# Altium PCB MicroSpecSensorBoard_Layout_V2_1.PcbDoc (part 1 of 2)
Units mm, origin at the board's own origin, x right, y up, seen from the top; angles counter-clockwise.
Board outline 106 x 107.03 mm, 2 copper layers (Top Layer, Bottom Layer); 100 components, 102 nets, 427 pads, 213 vias.
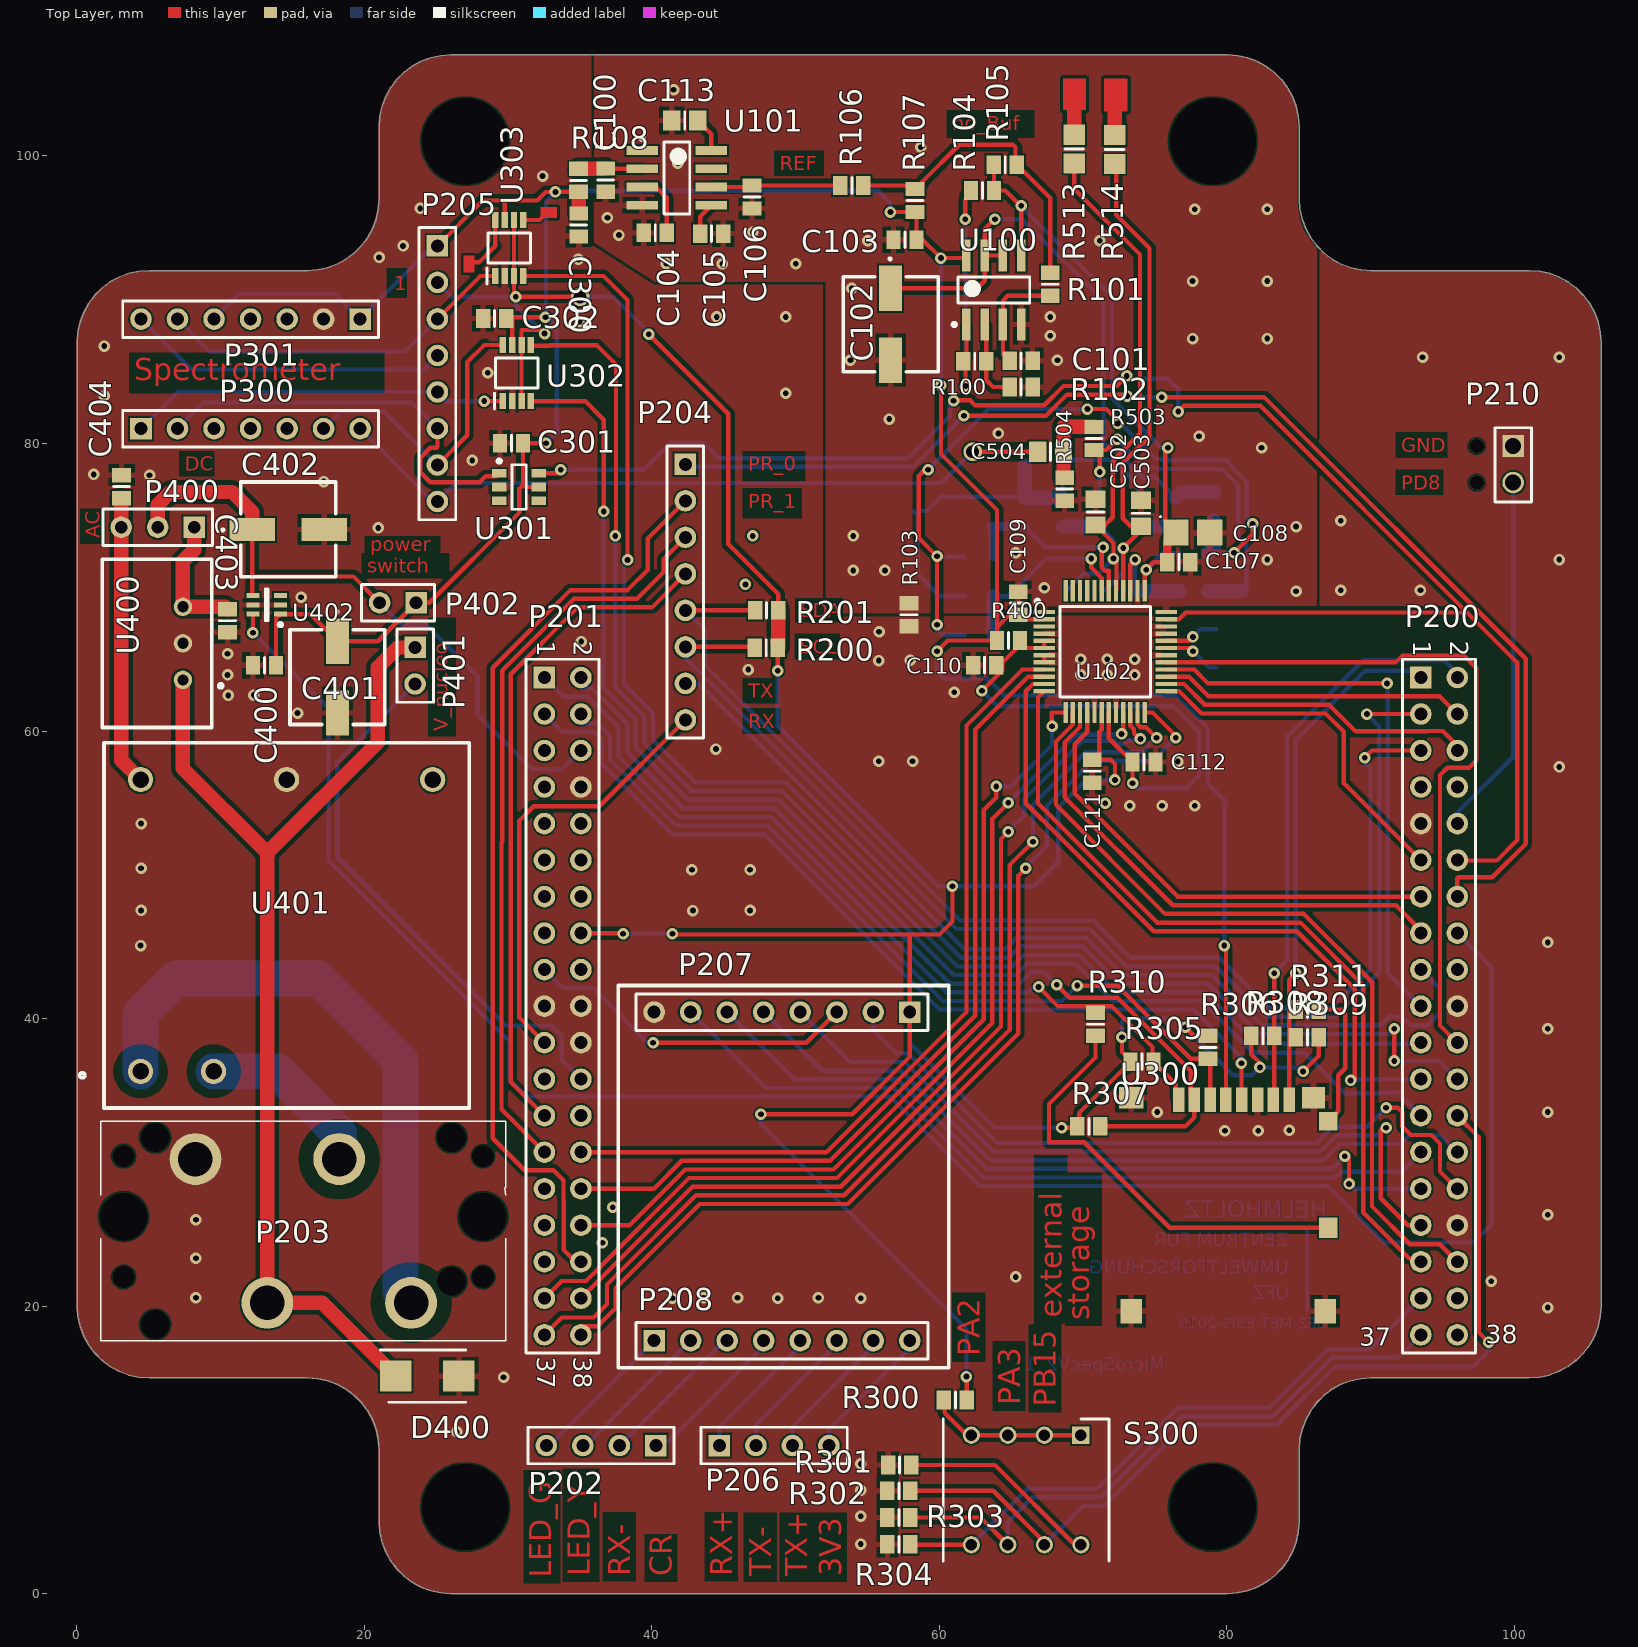
[diagram p0: Top Layer view]
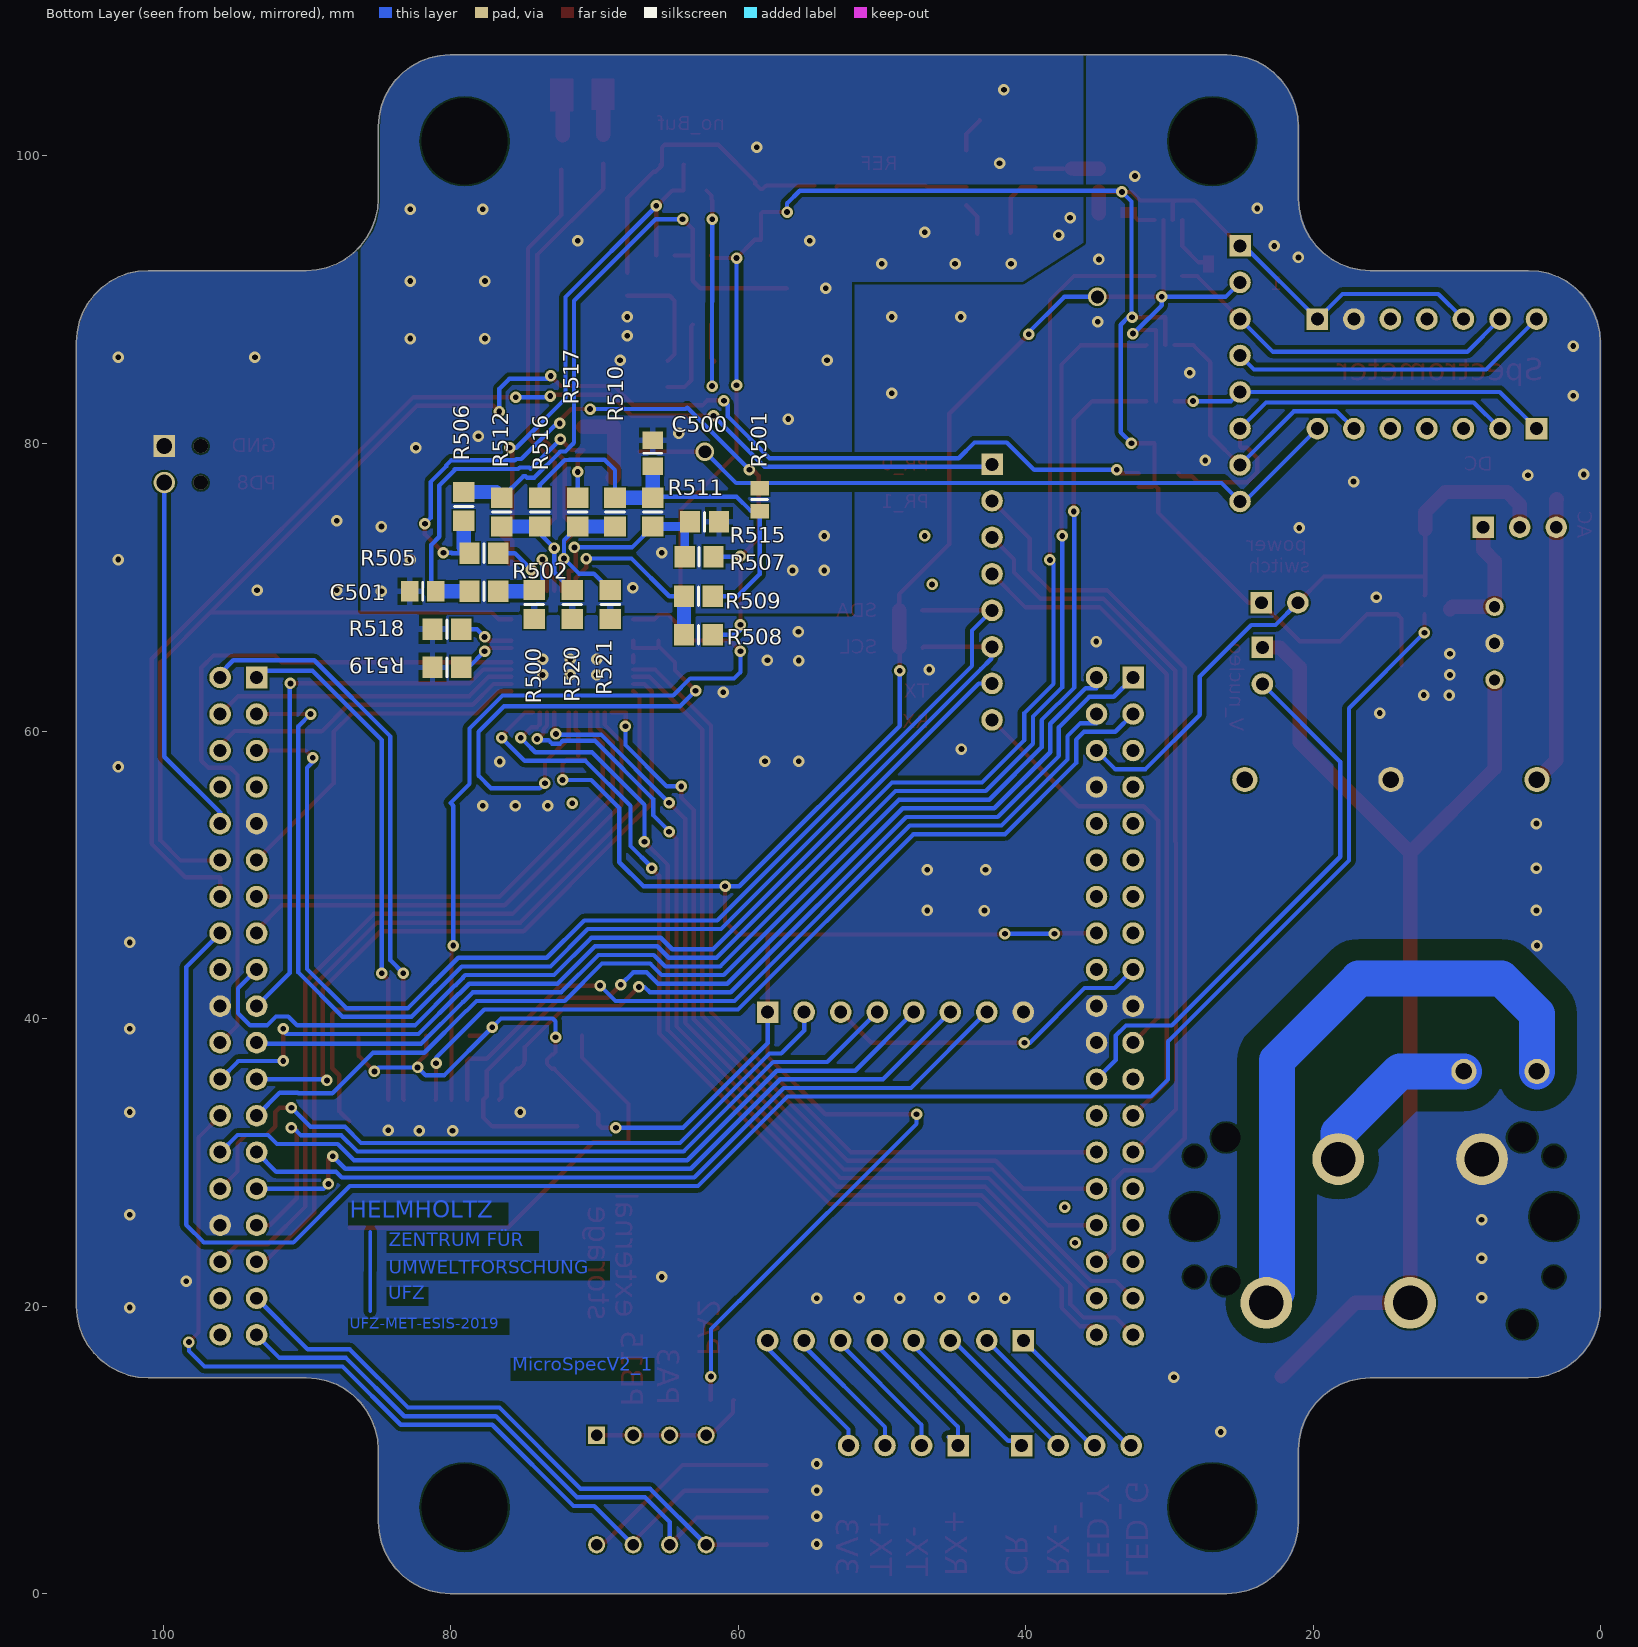
[diagram p1: Bottom Layer view, seen from below]

## Layer stack, top to bottom
Top Solder: solder mask 0.0102, Solder Resist, Dk 3.5
Top Layer: signal copper 0.0356
Dielectric 1: dielectric 0.32, FR-4, Dk 4.8
Bottom Layer: signal copper 0.0356
Bottom Solder: solder mask 0.0102, Solder Resist, Dk 3.5

## Board outline
26.029,0.004 80.029,0.004 80.741,0.055 81.438,0.207 82.106,0.456 82.732,0.798 83.303,1.225 83.808,1.73 84.235,2.301 84.577,2.927 84.826,3.595 84.978,4.292 85.029,5.004 85.029,10.004 85.08,10.716 85.232,11.413 85.481,12.081 85.823,12.707 86.25,13.278 86.755,13.783 87.326,14.21 87.952,14.552 88.62,14.801 89.317,14.953 90.029,15.004 101.029,15.004 101.741,15.055 102.438,15.207 103.106,15.456 103.732,15.798 104.303,16.225 104.808,16.73 105.235,17.301 105.577,17.927 105.826,18.595 105.978,19.292 106.029,20.004 106.029,87.034 105.978,87.746 105.826,88.443 105.577,89.111 105.235,89.737 104.808,90.308 104.303,90.813 103.732,91.24 103.106,91.582 102.438,91.831 101.741,91.983 101.029,92.034 90.029,92.034 89.317,92.085 88.62,92.237 87.952,92.486 87.326,92.828 86.755,93.255 86.25,93.76 85.823,94.331 85.481,94.957 85.231,95.625 85.08,96.322 85.029,97.034 85.029,102.034 84.978,102.746 84.826,103.443 84.577,104.111 84.235,104.737 83.808,105.308 83.303,105.813 82.732,106.24 82.106,106.582 81.438,106.831 80.741,106.983 80.029,107.034 26.029,107.034 25.317,106.983 24.62,106.831 23.952,106.582 23.326,106.24 22.755,105.813 22.25,105.308 21.823,104.737 21.481,104.111 21.231,103.443 21.08,102.746 21.029,102.034 21.029,97.034 20.978,96.322 20.826,95.625 20.577,94.957 20.235,94.331 19.808,93.76 19.303,93.255 18.732,92.828 18.106,92.486 17.438,92.237 16.741,92.085 16.029,92.034 5.029,92.034 4.317,91.983 3.62,91.831 2.952,91.582 2.326,91.24 1.755,90.813 1.25,90.308 0.823,89.737 0.481,89.111 0.231,88.443 0.08,87.746 0.029,87.034 0.029,20.004 0.08,19.292 0.232,18.595 0.481,17.927 0.823,17.301 1.25,16.73 1.755,16.225 2.326,15.798 2.952,15.456 3.62,15.207 4.317,15.055 5.029,15.004 16.029,15.004 16.741,14.953 17.438,14.801 18.106,14.552 18.732,14.21 19.303,13.783 19.808,13.278 20.235,12.707 20.577,12.081 20.826,11.413 20.978,10.716 21.029,10.004 21.029,5.004 21.08,4.292 21.232,3.595 21.481,2.927 21.823,2.301 22.25,1.73 22.755,1.225 23.326,0.798 23.952,0.456 24.62,0.207 25.317,0.055

## Design rules (kind name [scope] priority, off if disabled: settings)
Clearance Clearance_Comp [InComponent('U302') Or InComponent('U303')] p1: gap=0.125 ignorepadtopadclearanceinfootprint=TRUE except(0: Arc-Hole Track-Hole SMDPad-Hole THPad-Hole Via-Hole Fill-Hole Poly-Hole Region-Hole Text-Hole; 0.15: Arc-Arc Arc-Track Arc-SMDPad Arc-THPad Arc-Via Arc-Fill Arc-Poly Arc-Region Arc-Text Track-Track Track-SMDPad Track-THPad Track-Via Track-Fill Track-Poly Track-Region Track-Text; 0.2: SMDPad-Via Fill-Fill Fill-Poly Fill-Region Poly-Poly Poly-Region Region-Region)
Clearance Clearance_VID [InNet('VID')] p2: gap=0.125 ignorepadtopadclearanceinfootprint=FALSE except(0: Arc-Hole Track-Hole SMDPad-Hole THPad-Hole Via-Hole Fill-Hole Poly-Hole Region-Hole Text-Hole; 0.15: Arc-Text Track-Text; 0.2: SMDPad-Via Fill-Fill Fill-Poly Fill-Region Poly-Poly Poly-Region Region-Region; 0.3: Arc-Arc Arc-Track Arc-SMDPad Arc-THPad Arc-Via Track-Track Track-SMDPad Track-THPad Track-Via; 0.5: Arc-Fill Arc-Poly Arc-Region Track-Fill Track-Poly Track-Region)
Clearance Clearance_TXS [WithinRoom('RoomTXS') Or WithinRoom('RoomTXS_1')] p3: gap=0.125 ignorepadtopadclearanceinfootprint=TRUE
Clearance Clearance_ADC [All vs WithinRoom('RoomADC') Or InComponent('U102')] p4: gap=0.125 ignorepadtopadclearanceinfootprint=TRUE except(0.3: Arc-Fill Arc-Poly Arc-Region Track-Fill Track-Poly Track-Region)
Clearance Clearance_220V [All vs (InNet('AC_L') Or InNet('AC_N'))] p5: gap=1 ignorepadtopadclearanceinfootprint=FALSE except(1.5: Arc-Fill Arc-Poly Arc-Region Track-Fill Track-Poly Track-Region)
Clearance [All] p6: gap=0.125 ignorepadtopadclearanceinfootprint=FALSE except(0: Arc-Hole Track-Hole SMDPad-Hole THPad-Hole Via-Hole Fill-Hole Poly-Hole Region-Hole Text-Hole; 0.15: Arc-Text Track-Text; 0.2: SMDPad-Via Fill-Fill Fill-Poly Fill-Region Poly-Poly Poly-Region Region-Region; 0.3: Arc-Arc Arc-Track Arc-SMDPad Arc-THPad Arc-Via Arc-Fill Arc-Poly Arc-Region Track-Track Track-SMDPad Track-THPad Track-Via Track-Fill Track-Poly Track-Region)
DiffPairsRouting [All] p1: maxlimit=10 minlimit=0.125 mostfreqgap=0.15 toplayer_minwidth=0.381 toplayer_maxwidth=0.381 toplayer_prefwidth=0.381 bottomlayer_minwidth=0.381 bottomlayer_maxwidth=0.381 bottomlayer_prefwidth=0.381 maxuncoupledlength=12.7
FabricationTestPointUsage FabricationTestPointUsage_1 [All] p1: valid=0 allowmultiple=FALSE
FabricationTestpoint FabricationTestpoint_1 [All] p1: side=3 testpointundercomponent=TRUE minsize=1.016 maxsize=2.54 preferedsize=1.524 minholesize=0 maxholesize=1.016 preferedholesize=0.813 testpointgrid=0.025 allowsidetop=TRUE allowsidebottom=TRUE usegrid=TRUE gridtolerance=0
HoleSize [All] p1: absolutevalues=TRUE maxlimit=6 minlimit=0.2 maxpercent=80.000 minpercent=20.000
HoleSize FabricationTestpoint [All] p2 off: absolutevalues=TRUE maxlimit=2.54 minlimit=0.025 maxpercent=80.000 minpercent=20.000
HoleSize FabricationTestPointUsage [All] p3 off: absolutevalues=TRUE maxlimit=2.54 minlimit=0.025 maxpercent=80.000 minpercent=20.000
PlaneClearance [All] p1: clearance=0.5
PlaneConnect [All] p1: planeconnectstyle=Relief reliefexpansion=0.4 reliefentries=4 reliefconductorwidth=0.15 reliefairgap=0.15
PolygonConnect PolygonConnect_AGND_GND [InComponent('R103')] p1: thpad.connectstyle=Relief thpad.reliefconductorwidth=0.254 thpad.reliefentries=4 thpad.polygonreliefangle="90 Angle" thpad.airgapwidth=0.254 smdpad.connectstyle=Direct smdpad.reliefconductorwidth=0.254 smdpad.reliefentries=4 smdpad.polygonreliefangle="90 Angle" smdpad.airgapwidth=0.254 via.connectstyle=Relief via.reliefconductorwidth=0.254 via.reliefentries=4 via.polygonreliefangle="90 Angle" via.airgapwidth=0.254
PolygonConnect [All] p2: thpad.connectstyle=Direct thpad.reliefconductorwidth=0.15 thpad.reliefentries=4 thpad.polygonreliefangle="90 Angle" thpad.airgapwidth=0.254 smdpad.connectstyle=Relief smdpad.reliefconductorwidth=0.4 smdpad.reliefentries=4 smdpad.polygonreliefangle="90 Angle" smdpad.airgapwidth=0.254 via.connectstyle=Direct via.reliefconductorwidth=0.15 via.reliefentries=4 via.polygonreliefangle="90 Angle" via.airgapwidth=0.254
RoomDefinition RoomTXS_1 [False] p1: confinementstyle=ConfineIn formatcopy=TRUE lockcomponents=FALSE outline 28.273,88.17 33,88.17 33,81.9 28.273,81.9
RoomDefinition RoomTXS [False] p2: confinementstyle=ConfineIn formatcopy=TRUE lockcomponents=FALSE outline 28.073,96.57 32.8,96.57 32.8,90.3 28.073,90.3
RoomDefinition RoomADC [InComponentClass('MicroSpecSensorBoard_PowerSupply_V2_1')] p3: confinementstyle=ConfineIn formatcopy=TRUE lockcomponents=FALSE outline 65,72.9 78.712,72.9 78.712,59.2 65,59.2
RoutingCorners [All] p1: cornerstyle=45-Degree minsetback=1.25 maxsetback=1.25
RoutingVias [All] p1: holewidth=0.3 width=0.6 viastyle="Through Hole" minholewidth=0.2 minwidth=0.45 maxholewidth=0.45 maxwidth=0.75
SolderMaskExpansion [All] p1: expansion=0.075
Width [All] p1: maxlimit=5 minlimit=0.125 preferedwidth=0.3 minimp=50.000000 maximp=50.000000 favimp=50.000000
23 further rules are at their usual default settings.

## Classes and differential pairs
component class MicroSpecSensorBoard_switch_V2_1: C500 C501 C502 C503 C504 R500 R501 R502 R503 R504 R505 R506 R507 R508 R509 R510 R511 R512 R513 R514 R515 R516 R517 R518 R519 R520 R521
component class MicroSpecSensorBoard_PowerSupply_V2_1: C400 C401 C402 C403 C404 D400 P400 P401 P402 R400 U400 U401 U402
component class MicroSpecSensorBoard_periphericDevices_V2_1: C300 C301 C302 P300 P301 R300 R301 R302 R303 R304 R305 R306 R307 R308 R309 R310 R311 S300 U300 U301 U302 U303
component class MicroSpecSensorBoard_Connectors_V2_1: P200 P201 P202 P203 P204 P205 P206 P207 P208 P210 R200 R201 SB200 SB201 SB202 SB203 SB204 SB205 SB206 SB207 SB208 SB209
component class MicroSpecSensorBoard_adc_V2_1: C100 C101 C102 C103 C104 C105 C106 C107 C108 C109 C110 C111 C112 C113 R100 R101 R102 R103 R104 R105 R106 R107 R108 U100 U101 U102

## Components (designator, comment, footprint, x,y, rotation, side; value= is the part's Value field where it differs from the comment)
C100 "100n" 6-0805_L 36.788,98.325 r270 top value=100nF
C101 "1u" 6-0805_L 65.688,85.75 r0 top value=1uF
C102 "10u" FKV(D) 56.613,88.3 r270 top
C103 "100n" 6-0805_L 57.613,94.175 r180 top value=100nF
C104 "100n" 6-0805_L 40.238,94.65 r180 top value=100nF
C105 "100n" 6-0805_L 44.163,94.6 r0 top value=100nF
C106 "1u" 6-0805_L 46.963,97.15 r270 top value=1uF
C107 "1u" 6-0805_L 76.663,71.75 r180 top value=1uF
C108 "47u" CAPCP-3216-18N 77.638,73.8 r0 top value=47uF
C109 "100n" 6-0805_L 65.488,68.9 r270 top value=100nF
C110 "100n" 6-0805_L 63.153,64.585 r180 top value=100nF
C111 "100n" 6-0805_L 70.638,57.2 r270 top value=100nF
C112 "100n" 6-0805_L 74.238,57.85 r0 top value=100nF
C113 "" 6-0805_N 42.288,102.475 r0 top
C300 "100n" 6-0805_L 34.912,95.2 r270 top value=100nF
C301 "100n" 6-0805_L 30.238,80.025 r0 top value=100nF
C302 "100n" 6-0805_L 29.063,88.7 r0 top value=100nF
C400 "100n" 6-0805_L 13.058,64.575 r180 top value=100nF
C401 "47u" FKV(D) 18.133,63.75 r270 top
C402 "100u" FKV(D) 14.708,74.025 r0 top
C403 "100n" 6-0805_L 10.483,67.675 r90 top value=100nF
C404 "100n" 6-0805_L 3.113,77 r90 top value=100nF
C500 "" 6-0805_N 65.938,79.325 r90 bottom
C501 "" 6-0805_N 81.938,69.725 r180 bottom
C502 "" 6-0805_N 70.863,75.225 r90 top
C503 "" 6-0805_N 74.038,75.15 r90 top
C504 "" 6-0805_N 67.738,79.425 r0 top
D400 "SMBJ30A-TR" DIOM5436X265N 24.383,15.125 r0 top
P200 "Header 19X2" HDR2X19 93.489,63.724 r270 top locked
P201 "Header 19X2" HDR2X19 32.529,63.724 r270 top locked
P202 "HeaderEthernet1" HDR1X4 40.28,10.3 r180 top
P203 "Power_Supply_Con" 1864053 15.758,25.225 r180 top locked
P204 "Connector Amphenol 1" "HDR1X8 - phoenix" 42.338,78.555 r270 top
P205 "HeaderMicroSpecExt" HDR1X8 25.088,93.745 r270 top
P206 "HeaderEthernet2" HDR1X4 44.7,10.3 r0 top
P207 "W5500ModuleA1" HDR1X8 57.943,40.45 r180 top
P208 "W5500ModuleA2" HDR1X8 40.163,17.6 r0 top
P210 "Connector Amphenol 2" "HDR1X2 - phoenix" 99.913,77.285 r270 top
P300 "HeaderMicroSpec B" HDR1X7 4.469,81.034 r0 top locked
P301 "HeaderMicroSpec_A" HDR1X7 19.709,88.654 r180 top locked
P400 "SwitchPowerSource" HDR1X3 8.173,74.175 r180 top
P401 "ExtPowNucleo" HDR1X2 23.533,65.815 r270 top
P402 "SupplyVoltageSwitch" HDR1X2 23.608,68.925 r180 top
R100 "10K" 6-0805_L 62.463,85.725 r180 top
R101 "10K" 6-0805_L 67.713,91.075 r270 top
R102 "" 6-0805_L 65.688,83.925 r180 top
R103 "0" 6-0805_L 57.888,68.09 r90 top
R104 "0" 6-0805_L 63,97.6 r180 top
R105 "" 6-0805_L 64.588,99.4 r180 top
R106 "0" 6-0805_L 53.913,97.95 r180 top
R107 "" 6-0805_L 58.3,96.9 r270 top
R108 "0" 6-0805_L 34.9,98.3 r270 top
R200 "10K" 6-0805_L 47.963,65.8 r0 top
R201 "10K" 6-0805_L 47.988,68.4 r0 top
R300 "Res" 6-0805_L 61.113,13.475 r0 top value=1K
R301 "10k" 6-0805_L 57.238,8.95 r0 top value=10K
R302 "10k" 6-0805_L 57.188,7.15 r0 top value=10K
R303 "10k" 6-0805_L 57.188,5.3 r0 top value=10K
R304 "10k" 6-0805_L 57.188,3.425 r0 top value=10K
R305 "10k" 6-0805_L 74.1,37 r180 top value=10K
R306 "10k" 6-0805_L 78.685,38 r90 top value=10K
R307 "10k" 6-0805_L 70.4,32.5 r180 top value=10K
R308 "10k" 6-0805_L 82.5,38.8 r0 top value=10K
R309 "10k" 6-0805_L 85.6,38.7 r0 top value=10K
R310 "0" 6-0805_L 70.864,39.605 r270 top
R311 "0" 6-0805_L 85.6,40.636 r0 top
R400 "22" 6-0805_L 64.813,66.3 r0 top
R500 "0" 6-0805_M 74.188,68.8 r90 bottom
R501 "15" 6-0805_L 58.5,76.1 r270 bottom
R502 "" 6-0805_M 77.688,69.725 r180 bottom
R503 "15" 6-0805_L 70.763,80.35 r270 top
R504 "0" 6-0805_L 68.713,76.825 r90 top
R505 "" 6-0805_M 77.688,72.375 r180 bottom
R506 "" 6-0805_M 79.088,75.625 r270 bottom
R507 "" 6-0805_M 62.713,72.125 r180 bottom
R508 "" 6-0805_M 62.763,66.7 r180 bottom
R509 "0" 6-0805_M 62.763,69.375 r0 bottom
R510 "0" 6-0805_M 68.563,75.225 r270 bottom
R511 "0" 6-0805_M 65.938,75.225 r270 bottom
R512 "" 6-0805_M 76.438,75.225 r90 bottom
R513 "" 6-0805_M 69.388,100.475 r270 top
R514 "" 6-0805_M 72.188,100.45 r270 top
R515 "" 6-0805_M 62.338,74.55 r0 bottom
R516 "" 6-0805_M 73.788,75.225 r90 bottom
R517 "" 6-0805_M 71.163,75.225 r270 bottom
R518 "0" 6-0805_M 80.263,67.075 r180 bottom
R519 "0" 6-0805_M 80.263,64.425 r180 bottom
R520 "0" 6-0805_M 71.538,68.8 r270 bottom
R521 "" 6-0805_M 68.888,68.8 r90 bottom
S300 "NDS-04-V" DIPS762W60P254L1152H705Q8N 69.843,11.02 r270 top
U100 "AD8032ARZ" SOIC127P600X175-8N 63.788,90.675 r90 top
U101 "ADR431BRZ" SOIC127P600X175-8N 41.738,98.475 r0 top
U102 "AD7671ASTZ" QFP50P900X900X160-48N 71.538,65.525 r0 top
U300 "Micro_SD_Connector_extend" MICRO-SD-CON-EXT 79.983,27.075 r180 top
U301 "SN74LVC2G14DBVR" SOT95P280X145-6N 30.763,76.975 r0 top
U302 "TXS0102DCTR" SOP65P400X130-8N 30.613,84.9 r90 top
U303 "TXS0102DCTR" SOP65P400X130-8N 30.088,93.6 r90 top
U400 "TSR_1-2450" TSR-1-24120 7.383,66.1 r90 top
U401 "TMPS_05-105" TMPS05-105 14.598,46.475 r0 top locked
U402 "MIC94090" SOT65P210X110-6N 13.208,68.775 r180 top
